# KiCad board Breakout_v4.kicad_pcb
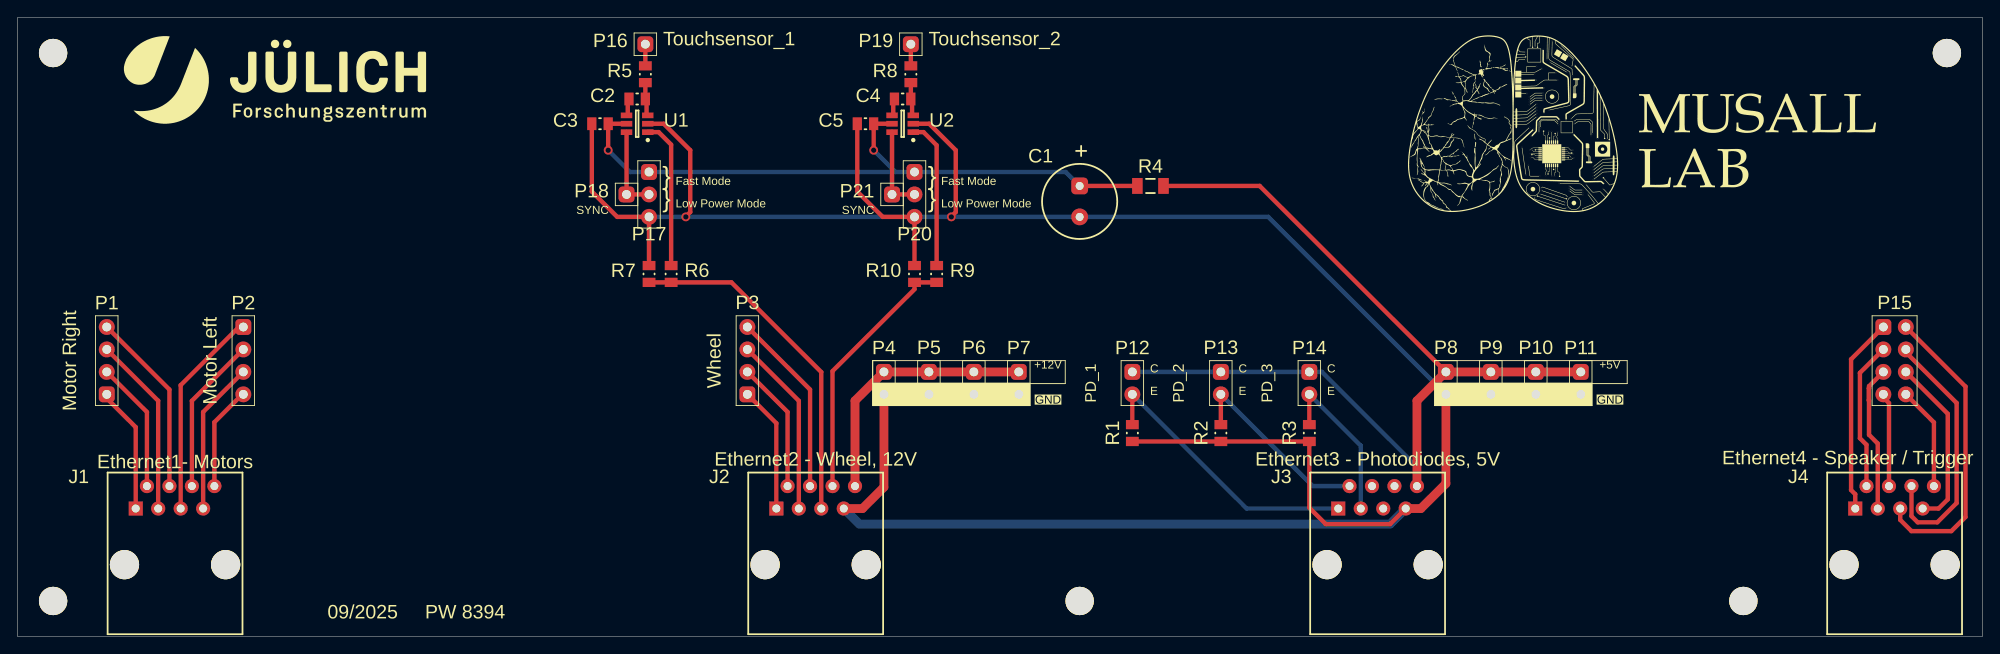
[diagram p0: board, top side]
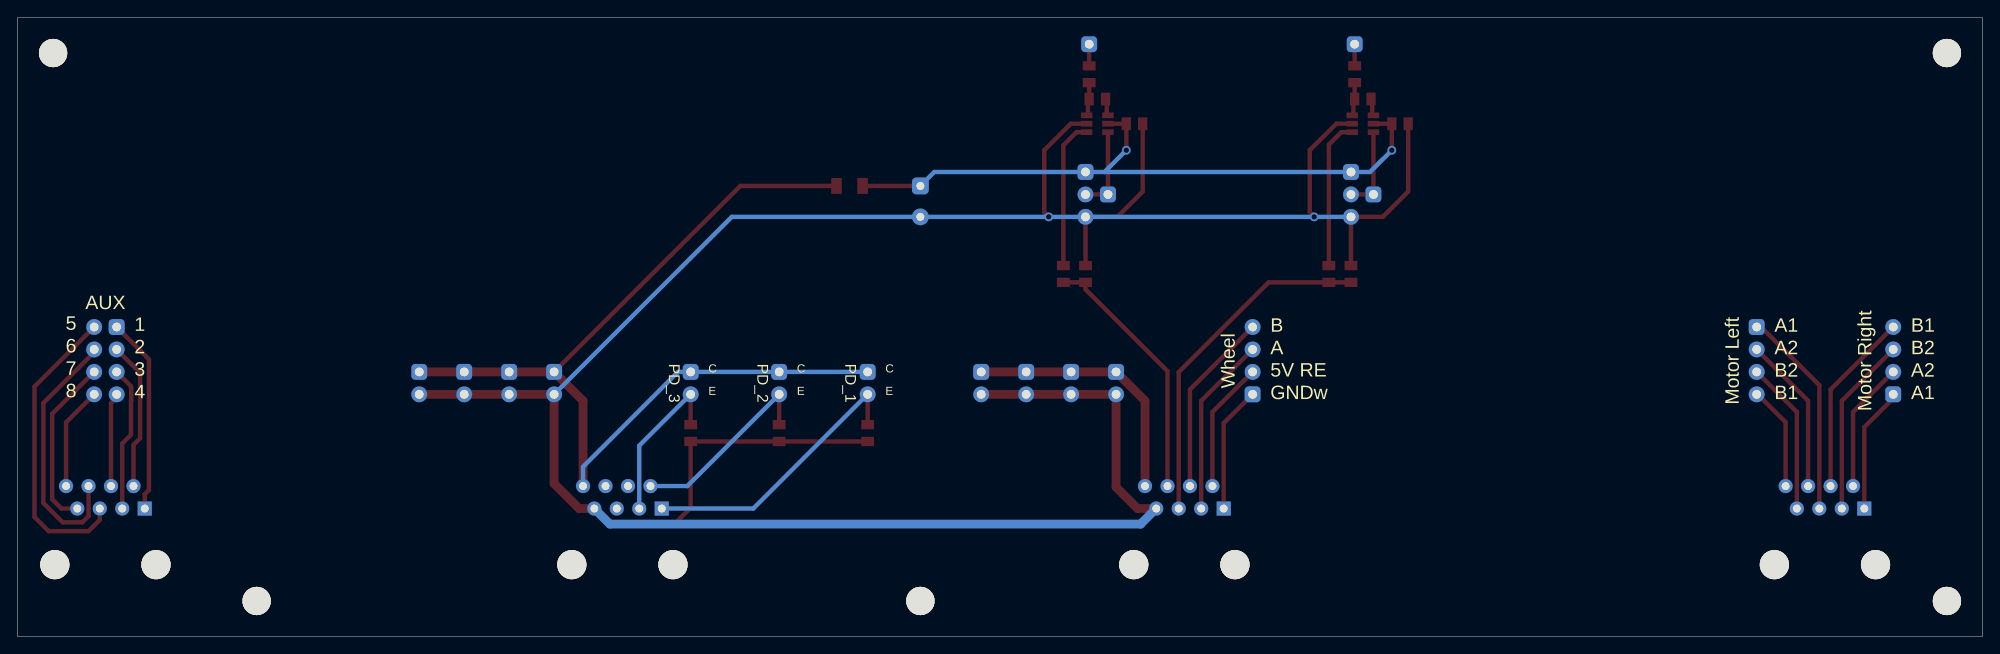
[diagram p1: board, bottom side, seen from below]

Outline 222 x 70 mm; copper layers: Top Layer, Bottom Layer. Coordinates in mm from the lower left corner of the outline.
Outline path: 0,70 222,70 222,0 0,0 0,70

## Placement (name value [footprint] x y rotation side)
C1  870585774003  [WCAP-HTAH_D8H11.5]  120 49.21 90 top
C2  10nF 0805 X7R 50V 5%  [Copy of 0805]  70 60.8 0 top
C3  100nF 0805 X7R 100V  [0805]  65.8 58 180 top
C4  10nF 0805 X7R 50V 5%  [Copy of 0805]  100 60.8 0 top
C5  100nF 0805 X7R 100V  [0805]  95.8 58 180 top
J1  5569118-1  [5569118-1-Footprint-1]  12.06 8.11 0 top
J2  5569118-1  [5569118-1-Footprint-1]  84.46 8.11 0 top
J3  5569118-1  [5569118-1-Footprint-1]  147.95 8.11 0 top
J4  5569118-1  [5569118-1-Footprint-1]  206.38 8.11 0 top
NOREF  -  [unnamed]  120 4 0 top
NOREF#2  -  [unnamed]  4 4 0 top
NOREF#3  -  [unnamed]  4 66 0 top
NOREF#4  -  [unnamed]  195 4 0 top
NOREF#5  -  [unnamed]  218 66 0 top
P1  -  [SL_1_025_4_ G]  10.06 27.38 180 top
P2  -  [SL_1_025_4_ G]  25.49 35 0 top
P3  -  [SL_1_025_4_ G]  82.46 27.38 180 top
P4  -  [SL_1_025_2_ G]  97.88 29.92 0 top
P5  -  [SL_1_025_2_ G]  102.97 29.92 0 top
P6  -  [SL_1_025_2_ G]  108.04 29.92 0 top
P7  -  [SL_1_025_2_ G]  113.12 29.92 0 top
P8  -  [SL_1_025_2_ G]  161.38 29.92 0 top
P9  -  [SL_1_025_2_ G]  166.47 29.92 0 top
P10  -  [SL_1_025_2_ G]  171.54 29.92 0 top
P11  -  [SL_1_025_2_ G]  176.62 29.92 0 top
P12  -  [SL_1_025_2_ G]  125.95 29.92 0 top
P13  -  [SL_1_025_2_ G]  135.95 29.92 0 top
P14  -  [SL_1_025_2_ G]  145.95 29.92 0 top
P15  SL 2 025 8 G  [SL 2 025 2 G-Footprint-1]  210.82 35 0 top
P16  SL_1_025_1_ G  [Copy of SL_1_025_2_ G]  70.93 67 0 top
P17  SL_1_025_3_ G  [Copy of SL_1_025_4_ G]  71.34 52.54 0 top
P18  SL_1_025_1_ G  [Copy of SL_1_025_2_ G]  68.8 50 90 top
P19  SL_1_025_1_ G  [Copy of SL_1_025_2_ G]  100.92 67 0 top
P20  SL_1_025_3_ G  [Copy of SL_1_025_4_ G]  101.34 52.54 0 top
P21  SL_1_025_1_ G  [Copy of SL_1_025_2_ G]  98.8 50 90 top
R1  10K 0805 200V 0,25W 0,5% 50ppm/K  [0805 (2012)]  125.95 23 90 top
R2  10K 0805 200V 0,25W 0,5% 50ppm/K  [0805 (2012)]  135.95 23 90 top
R3  10K 0805 200V 0,25W 0,5% 50ppm/K  [0805 (2012)]  145.95 23 90 top
R4  100R 1206 200V 0,25W 25ppm/K  [1206 (3216)]  128 50.96 0 top
R5  10K 0805 200V 0,25W 0,5% 50ppm/K  [0805 (2012)]  70.93 63.6 270 top
R6  5K 0805 100V 0,2W  [0805 (2012)]  73.84 41 90 top
R7  10K 0805 200V 0,25W 0,5% 50ppm/K  [0805 (2012)]  71.34 41 270 top
R8  10K 0805 200V 0,25W 0,5% 50ppm/K  [0805 (2012)]  100.92 63.6 270 top
R9  5K 0805 100V 0,2W  [0805 (2012)]  103.84 41 90 top
R10  10K 0805 200V 0,25W 0,5% 50ppm/K  [0805 (2012)]  101.34 41 270 top
U1  AT42QT1010-TSHR  [6ST1_M]  70 58 180 top
U2  AT42QT1010-TSHR  [6ST1_M]  100 58 180 top

## Footprints (pads in the part's own frame, mm; a bottom-side part is the same pattern mirrored in y, then rotated)
6ST1_M
  rect 1.3x0.65 smd: 1(-1.2,0.95) 2(-1.2,0) 3(-1.2,-0.95) 4(1.2,-0.95) 5(1.2,0) 6(1.2,0.95)
0805
  rect 1.05x1.45 smd: 1(-0.925,0) 2(0.925,0)
0805 (2012)
  rect 1.05x1.45 smd: 1(-0.95,0) 2(0.95,0)
1206 (3216)
  rect 1.2x1.8 smd: 1(-1.475,0) 2(1.475,0)
5569118-1-Footprint-1
  rect 1.6x1.6 hole 0.9: 1(1.27,6.35)
  round 1.6 hole 0.9: 2(2.54,8.89) 3(3.81,6.35) 4(5.08,8.89) 5(6.35,6.35) 6(7.62,8.89) 7(8.89,6.35) 8(10.16,8.89)
  round 3.3 hole 3.3: X(0,0) Y(11.43,0)
Copy of 0805
  rect 1.05x1.45 smd: 1(-0.925,0) 2(0.925,0)
Copy of SL_1_025_2_ G
  rrect 1.8x1.8 hole 1: 1(0,0)
Copy of SL_1_025_4_ G
  rrect 1.8x1.8 hole 1: 1(0,0)
  round 1.8 hole 1: 2(0,-2.54) 3(0,-5.08)
SL 2 025 2 G-Footprint-1
  rrect 1.8x1.8 hole 1: 1(0,0)
  round 1.8 hole 1: 2(2.54,0) 3(0,-2.54) 4(2.54,-2.54) 5(0,-5.08) 6(2.54,-5.08) 7(0,-7.62) 8(2.54,-7.62)
SL_1_025_2_ G
  rrect 1.8x1.8 hole 1: 1(0,0)
  round 1.8 hole 1: 2(0,-2.54)
SL_1_025_4_ G
  rrect 1.8x1.8 hole 1: 1(0,0)
  round 1.8 hole 1: 2(0,-2.54) 3(0,-5.08) 4(0,-7.62)
unnamed
  round 3.2 hole 3.2: X(0,0)
WCAP-HTAH_D8H11.5
  rrect 1.9x1.9 hole 0.9: 1(1.75,0)
  round 1.9 hole 0.9: 2(-1.75,0)

## Nets
+5V: J3.8 P8.1 P9.1 P10.1 P11.1 P12.1 P13.1 P14.1 R4.2
GND: C1.2 C3.2 C5.2 J2.7 J3.7 P4.2 P5.2 P6.2 P7.2 P8.2 P9.2 P10.2 P11.2 P17.3 P20.3 R1.1 R2.1 R3.1 R7.1 R10.1 U1.2 U2.2
+12: J2.8 P4.1 P5.1 P6.1 P7.1
NetC1_1: C1.1 C3.1 C5.1 P17.1 P20.1 R4.1 U1.5 U2.5
NetC2_1: C2.1 U1.4
NetC2_2: C2.2 R5.2 U1.3
NetC4_1: C4.1 U2.4
NetC4_2: C4.2 R8.2 U2.3
NetJ1_1: J1.1 P1.1
NetJ1_2: J1.2 P1.2
NetJ1_3: J1.3 P1.3
NetJ1_4: J1.4 P1.4
NetJ1_5: J1.5 P2.1
NetJ1_6: J1.6 P2.2
NetJ1_7: J1.7 P2.3
NetJ1_8: J1.8 P2.4
NetJ2_1: J2.1 P3.1
NetJ2_2: J2.2 P3.2
NetJ2_3: J2.3 P3.3
NetJ2_4: J2.4 P3.4
NetJ2_5: J2.5 R6.1 R7.2
NetJ2_6: J2.6 R9.1 R10.2
NetJ3_1: J3.1 P12.2 R1.2
NetJ3_2: J3.2 P13.2 R2.2
NetJ3_3: J3.3 P14.2 R3.2
NetJ4_1: J4.1 P15.1
NetJ4_2: J4.2 P15.3
NetJ4_3: J4.3 P15.5
NetJ4_4: J4.4 P15.7
NetJ4_5: J4.5 P15.2
NetJ4_6: J4.6 P15.4
NetJ4_7: J4.7 P15.6
NetJ4_8: J4.8 P15.8
NetP16_1: P16.1 R5.1
NetP17_2: P17.2 P18.1 U1.6
NetP19_1: P19.1 R8.1
NetP20_2: P20.2 P21.1 U2.6
NetR6_2: R6.2 U1.1
NetR9_2: R9.2 U2.1

Pads without a net: J1 X Y; J2 X Y; J3 4 5 6 X Y; J4 X Y; NOREF X; NOREF#2 X; NOREF#3 X; NOREF#4 X; NOREF#5 X

## Via types
v1: diameter 1, hole 0.6, Top Layer to Bottom Layer, 4 vias

## Routing (per net, layer and track width the routed paths; a pad name or vN(x,y) marks a point on that pad's centre or on a via; arc(x,y) is an arc through that point)
+5V: length 108.9
  Top Layer w0.5: P8.1 140.34,50.96 R4.2
  Top Layer w1: J3.8 158.11,26.65 P8.1 P9.1 P10.1 P11.1
  Bottom Layer w0.5: J3.8 158.11,19.19 147.38,29.92 P14.1 P13.1 P12.1
GND: length 334.7
  Top Layer w0.5: J3.7 155.08,12.7 147.8,12.7 145.95,14.55 R3.1 R2.1 R1.1 ; U2.2 103,58 106,55 106,48 105.5,47.5 ; v1(75.5,47.46) 75.5,47.5 76,48 76,55 73,58 U1.2 ; C3.2 64.88,50.33 67.74,47.46 P17.3 R7.1 ; C5.2 94.88,50.33 97.74,47.46 P20.3 R10.1
  Top Layer w1: P11.2 P10.2 P9.2 P8.2 161.38,17.29 158.56,14.46 J3.7 ; J2.7 95.46,14.46 97.88,16.89 P4.2 P5.2 P6.2 P7.2
  Bottom Layer w0.5: P8.2 141.3,47.46 C1.2 v1(105.5,47.46) P20.3 v1(75.5,47.46) P17.3
  Bottom Layer w1: J2.7 95.1,12.7 155.08,12.7 J3.7
+12: length 29.5
  Top Layer w1: J2.8 94.61,26.65 P4.1 P5.1 P6.1 P7.1
NetC1_1: length 75.1
  Top Layer w0.5: C1.1 R4.1 ; U2.5 C5.1 v1(96.72,55) ; v1(66.72,55) C3.1 U1.5
  Bottom Layer w0.5: 99.19,52.54 P20.1 118.42,52.54 C1.1 ; 99.19,52.54 P17.1 69.19,52.54 v1(66.72,55) ; 99.19,52.54 v1(96.72,55)
NetC2_1: length 2
  Top Layer w0.5: U1.4 68.86,58.95 68.94,59.03 68.94,60.66 C2.1
NetC2_2: length 3.9
  Top Layer w0.5: R5.2 C2.2 71.06,60.66 71.06,59.03 71.14,58.95 U1.3
NetC4_1: length 1.6
  Top Layer w0.5: 98.94,59.03 98.94,60.66
NetC4_2: length 3.5
  Top Layer w0.5: 101.06,59.03 101.06,60.66 ; C4.2 R8.2
NetJ1_1: length 13.9
  Top Layer w0.5: 10,27 13.34,23.67 J1.1
NetJ1_2: length 14.8
  Top Layer w0.5: P1.2 14.6,25.38 J1.2
NetJ1_3: length 20.4
  Top Layer w0.5: J1.3 15.88,26.65 P1.3
NetJ1_4: length 20.9
  Top Layer w0.5: J1.4 17.14,27.92 P1.4
NetJ1_5: length 23.3
  Top Layer w0.5: 25,35 18.41,28.42 J1.5
NetJ1_6: length 17.9
  Top Layer w0.5: J1.6 19.69,26.65 P2.2
NetJ1_7: length 17.3
  Top Layer w0.5: P2.3 20.95,25.38 J1.7
NetJ1_8: length 11.1
  Top Layer w0.5: J1.8 22.23,24.23 25,27
NetJ2_1: length 14.3
  Top Layer w0.5: P3.1 85.72,24.11 J2.1
NetJ2_2: length 14.8
  Top Layer w0.5: J2.2 87,25.38 P3.2
NetJ2_3: length 20.4
  Top Layer w0.5: J2.3 88.26,26.65 P3.3
NetJ2_4: length 20.9
  Top Layer w0.5: J2.4 89.53,27.92 P3.4
NetJ2_5: length 39.1
  Top Layer w0.5: J2.5 90.8,29.9 80.65,40.05 R6.1 R7.2
NetJ2_6: length 29.4
  Top Layer w0.5: R9.1 R10.2 101.34,39.27 92.07,30 J2.6
NetJ3_1: length 32.1
  Top Layer w0.5: R1.2 P12.2
  Bottom Layer w0.5: P12.2 138.88,14.46 J3.1
NetJ3_2: length 22.3
  Top Layer w0.5: R2.2 P13.2
  Bottom Layer w0.5: P13.2 146.33,17 J3.2
NetJ3_3: length 18.8
  Top Layer w0.5: R3.2 P14.2
  Bottom Layer w0.5: J3.3 151.76,21.57 P14.2
NetJ4_1: length 22.2
  Top Layer w0.5: P15.1 207.17,31.35 207.17,16.55 207.64,16.08 J4.1
NetJ4_2: length 16.9
  Top Layer w0.5: J4.2 208.91,21.67 208.17,22.42 208.17,29.81 P15.3
NetJ4_3: length 16.6
  Top Layer w0.5: P15.5 209.2,28.3 209.2,28.09 209.17,28.06 209.17,26.7 209.2,26.67 209.2,22.8 210.19,21.82 J4.3
NetJ4_4: length 10.6
  Top Layer w0.5: J4.4 211.45,26.39 210.82,27.03 P15.7
NetJ4_5: length 34.1
  Top Layer w0.5: J4.5 212.72,13.18 214,11.9 218.5,11.9 220.1,13.5 220.1,28.26 P15.2
NetJ4_6: length 29.4
  Top Layer w0.5: J4.6 214,13.61 214.7,12.9 216.91,12.9 219.1,15.09 219.1,26.4 213.36,32.14 P15.4
NetJ4_7: length 19.6
  Top Layer w0.5: J4.7 217.06,14.46 218.1,15.5 218.1,25.18 P15.6
NetJ4_8: length 11.7
  Top Layer w0.5: P15.8 216.53,24.21 J4.8
NetP16_1: length 2.4
  Top Layer w0.5: R5.1 P16.1
NetP17_2: length 9.6
  Top Layer w0.5: P17.2 P18.1 U1.6
NetP19_1: length 2.4
  Top Layer w0.5: R8.1 P19.1
NetP20_2: length 9.6
  Top Layer w0.5: P20.2 P21.1 U2.6
NetR6_2: length 16.9
  Top Layer w0.5: U1.1 72.43,57.05 73.84,55.64 R6.2
NetR9_2: length 16.9
  Top Layer w0.5: R9.2 103.84,55.56 102.35,57.05 U2.1

## Text on the board
Bottom Overlay: Motor Right | Motor Left | Wheel | B1 | B2 | A2 | A1 | B | A | 5V RE | GNDw | 1 | 3 | 4 | 2 | AUX | 5 | 6 | 7 | 8 | C | E | PD_1 | PD_2 | PD_3
Top Overlay: Fast Mode | Low Power Mode | GND | SYNC | Touchsensor_1 | Touchsensor_2 | 09/2025     PW 8394 | Ethernet1- Motors | Ethernet2 - Wheel, 12V | Ethernet3 - Photodiodes, 5V | Ethernet4 - Speaker / Trigger | Motor Right | Motor Left | Wheel | } | +12V | PD_1 | C | E | PD_2 | PD_3 | +5V
Mechanical 15: 10nF | 10k | AT42QT1010 | 5k | 47µF | 100R | MTJ-881X1 | 100nF
